# Altium PCB TE0723.PcbDoc (part 1 of 3) (continued)
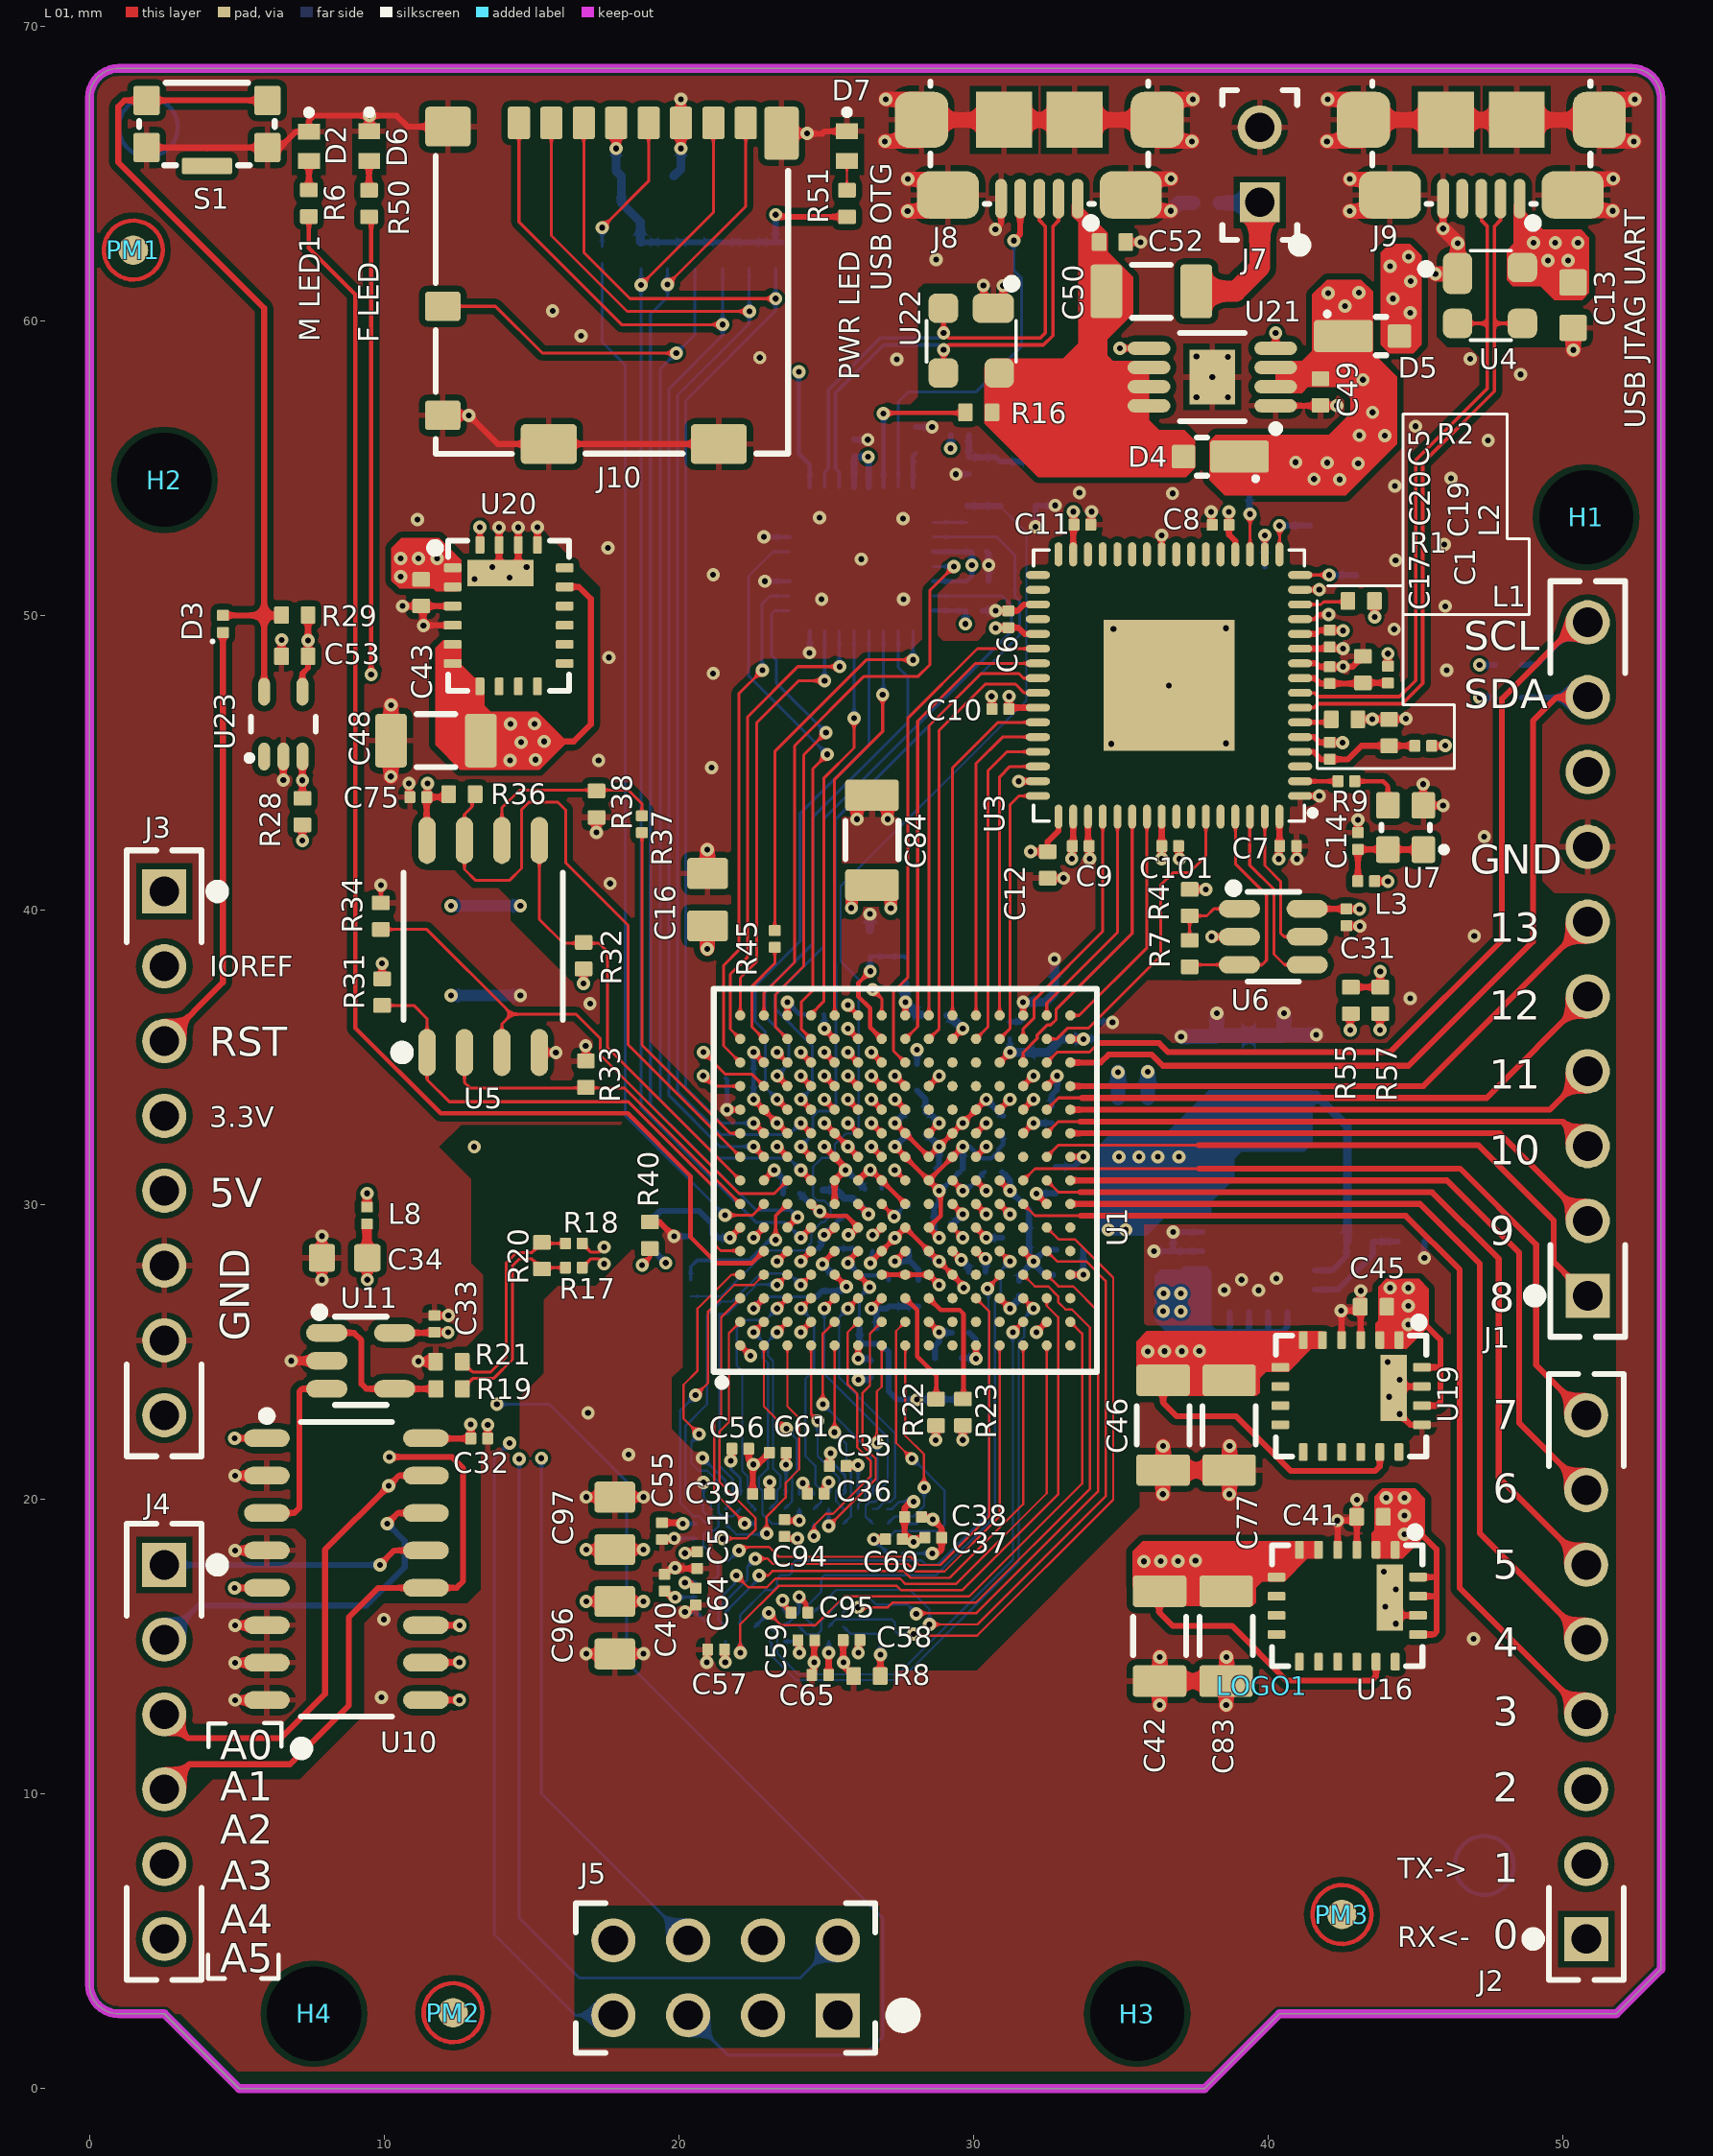
[diagram p0: L 01 view]
## Design rules (kind name [scope] priority, off if disabled: settings) (continued)
RoutingLayers "RoutingLayers_impedance control" [(InDifferentialPairClass('All Differential Pairs') OR InNetClass('D100-15') OR InNetClass('D100-25') OR InNetClass('D100-33') OR InNetClass('S50') OR InNetClass('S50-25') OR InNetClass('S50-33') OR InNetClass('S60-15'))] p1: top layer_v5=TRUE mid layer 1_v5=TRUE mid layer 2_v5=TRUE mid layer 3_v5=TRUE mid layer 4_v5=TRUE mid layer 5_v5=TRUE mid layer 6_v5=TRUE bottom layer_v5=TRUE
RoutingLayers [All] p2: top layer_v5=TRUE mid layer 1_v5=TRUE mid layer 2_v5=TRUE mid layer 3_v5=TRUE mid layer 4_v5=TRUE mid layer 5_v5=TRUE mid layer 6_v5=TRUE bottom layer_v5=TRUE
RoutingVias [All] p1: holewidth=0.25 width=0.5 viastyle="Through Hole" minholewidth=0.15 minwidth=0.3 maxholewidth=1 maxwidth=1.5
SMDNeckDown SMDNeckDown_80% [All] p1: percent=95.000
SMDToPlane [All] p1: distance=39370
SilkToSilkClearance [All] p1: silktosilkclearance=0.01
SilkToSolderMaskClearance SilkscreenOverComponentPads [IsPad] p1: minsilkscreentomaskgap=0.01 clearancetoexposedcopper=TRUE
SolderMaskExpansion SolderMaskExpansion_Via [IsVia] p1: expansion=-0.125
SolderMaskExpansion [All] p2: expansion=0
UnpouredPolygon [All] p1: allowunpoured=FALSE
Width Width_All_Differential_Pairs [(InDifferentialPairClass('All Differential Pairs'))] p1: maxlimit=1 minlimit=0.095 preferedwidth=1 toplayer_maxwidth=0.12 toplayer_prefwidth=0.1 midlayer1_minwidth=0.1 midlayer1_maxwidth=0.1 midlayer1_prefwidth=0.1 midlayer2_minwidth=1 midlayer3_minwidth=0.254 midlayer3_maxwidth=0.254 midlayer3_prefwidth=0.254 midlayer4_minwidth=1 midlayer5_minwidth=1 midlayer6_minwidth=1 bottomlayer_maxwidth=0.12 bottomlayer_prefwidth=0.1 minimp=50.000000 maximp=50.000000 favimp=50.000000
Width Logo [(InComponent('LOGO*'))] p2: maxlimit=0.254 minlimit=0.001 preferedwidth=0.254 // Protel DXP Scope 1 Expression Was: (InComponent('LOGO?'))
Width All [All] p3: maxlimit=3 minlimit=0.075 preferedwidth=0.2 toplayer_prefwidth=0.1 midlayer1_prefwidth=0.1 midlayer2_prefwidth=0.1 midlayer5_prefwidth=0.1 midlayer6_prefwidth=0.1 bottomlayer_prefwidth=0.1 minimp=50.000000 maximp=50.000000 favimp=50.000000
14 further rules are at their usual default settings.

## Classes and differential pairs
net class SD: SD_CD/MIO0 SD_CLK SD_CMD SD_D0 SD_D1 SD_D2 SD_D3
net class QSPI: SPI0_CS SPI0_DQ0/M0 SPI0_DQ1/M1 SPI0_DQ2/M2 SPI0_DQ3/M3 SPI0_SCK SPI0_SCK/M4
net class DDR_CTRL: CA0 CA1 CA2 CA3 CA4 CA5 CA6 CA7 CA8 CA9 CK_N CK_P CKE CS
net class FTDI_B: BCBUS0 BCBUS1 BCBUS2 BCBUS3 BCBUS4 BCBUS7 BDBUS0 BDBUS1 BDBUS2 BDBUS3 BDBUS4 BDBUS5 BDBUS6 BDBUS7
component class FTDI: C1 C5 C6 C7 C8 C9 C10 C11 C12 C13 C14 C17 C19 C20 C31 C101 J9 L1 L2 L3 R1 R2 R4 R7 R9 U3 U4 U6 U7
net class ULPI: OTG-CLK OTG-CLKR OTG-DATA0 OTG-DATA1 OTG-DATA2 OTG-DATA3 OTG-DATA4 OTG-DATA5 OTG-DATA6 OTG-DATA7 OTG-DIR OTG-NXT OTG-STP
net class DDR_D_LANE_1: DM1 DQ8 DQ9 DQ10 DQ11 DQ12 DQ13 DQ14 DQ15 DQS1_N DQS1_P
net class DDR_D_LANE_0: DM0 DQ0 DQ1 DQ2 DQ3 DQ4 DQ5 DQ6 DQ7 DQS0_N DQS0_P
net class JTAG: TCK TDI TDO TMS
net class B35: AIN0 AIN1 AIN2 AIN3 AIN4 AIN5 ESP_GPIO2 USB_OC
net class B34: AMUX_S0 AMUX_S1 AMUX_S2 B34_L5_P B34_L6_N B34_L10_N B34_L10_P B34_L11_N B34_L11_P B34_L12_N B34_L12_P B34_L19_N B34_L19_P B34_L21_P BCBUS0 BCBUS1 BCBUS2 BCBUS3 BCBUS4 BCBUS7 BDBUS0 BDBUS1 BDBUS2 BDBUS3 BDBUS4 BDBUS5 BDBUS6 BDBUS7 D2 D3 D4 D5 D6 D7 D8 D9 D10 D11 D12 D13 FPGA_LED RXD SCL SDA TXD
component class USB-PHY: C26 C49 C50 C52 C98 C116 C117 D4 J7 J8 L10 R16 R30 R41 R45 R46 R53 U14 U18 U21 U22
component class FPGA_PWR: C2 C3 C4 C15 C16 C18 C21 C22 C23 C24 C27 C54 C62 C63 C69 C77 C78 C79 C80 C81 C82 C83 C84 C85 C86 C87 C88 C89 C90 C91 C92 L4 L6 L7 R55 R56 R57 TP1 TP2 TP3 TP4
component class FPGA_MIO: C75 D2 D7 R6 R31 R32 R33 R34 R36 R37 R38 R39 R40 R51 U5
component class DDR3-RAM: C35 C36 C37 C38 C39 C40 C51 C55 C56 C57 C58 C59 C60 C61 C64 C65 C94 C95 C96 C97 R8 U8
component class FPGA_B34: D6 R35 R42 R43 R44 R50 U1
component class TE0723-Arduino: H1 H2 H3 H4 PM1 PM2 PM3 PM4 PM5 PM6
differential pair class Lendht22mm: MCB1_DRAM_CK MCB1_DRAM_DQS MCB1_DRAM_UDQ MCB3_DRAM_CK MCB3_DRAM_DQS MCB3_DRAM_UDQ
component class Arduino-Headers: C93 D5 J1 J2 J3 J4 J5 J10 R5 R10 R11 R12 R13 R14 R15 S1
component class Analog: C28 C32 C33 C34 L8 R17 R18 R19 R20 R21 U10 U11
component class PowerSupply: C41 C42 C43 C44 C45 C46 C47 C48 C53 D3 R26 R27 R28 R29 U16 U17 U19 U20 U23
component class FPGA_RAM: C66 C67 C68 C70 C71 C72 C73 C74 R22 R23 R24 R25 R?
differential pair DQS1: +DQS1_P -DQS1_N
differential pair DQS0: +DQS0_P -DQS0_N
differential pair D: +D_P -D_N
differential pair VR: +VR_P -VR_N
differential pair V: +V_P -V_N
differential pair OTG: +OTG_P -OTG_N
differential pair CK: +CK_P -CK_N

## Components (designator, comment, footprint, x,y, rotation, side; value= is the part's Value field where it differs from the comment)
C1 "4.7µF" CAPC1005X60N 44.11,46.03 r90 top
C2 "470nF" CAPC0603X33N 28.96,29.37 r180 bottom
C3 "470nF" CAPC0603X33N 28.09,32.38 r0 bottom
C4 "4.7µF" CAPC1005X60N 28.09,34.33 r90 bottom
C5 "470nF" CAPC0603X33N 42.09,49.22 r270 top
C6 "470nF" CAPC0603X33N 31.19,49.88 r90 top
C7 "470nF" CAPC0603X33N 40.68,42.18 r0 top
C8 "470nF" CAPC0603X33N 38.39,53.08 r180 top
C9 "470nF" CAPC0603X33N 33.64,42.18 r0 top
C10 "470nF" CAPC0603X33N 30.92,46.83 r180 top
C11 "470nF" CAPC0603X33N 33.7,53.09 r180 top
C12 "4.7µF" CAPC1005X60N 32.52,41.54 r90 top
C13 "10µF" CAPC1608X90N 50.35,60.54 r90 top
C14 "470nF" CAPC0603X33N 43.05,42.35 r270 top
C15 "4.7µF" CAPC1005X60N 29.19,31.34 r180 bottom
C16 "47µF" CAPC2012X135N 20.98,40.36 r90 top
C17 "470nF" CAPC0603X33N 42.09,45.41 r90 top
C18 "4.7µF" CAPC1005X60N 31.44,28.88 r0 bottom
C19 "4.7µF" CAPC1005X60N 43.22,48.17 r90 top
C20 "470nF" CAPC0603X33N 42.09,47.98 r90 top
C21 "470nF" CAPC0603X33N 30.134,27.727 r180 bottom
C22 "470nF" CAPC0603X33N 28.09,28.48 r180 bottom
C23 "470nF" CAPC0603X33N 28.09,33.13 r0 bottom
C24 "4.7µF" CAPC1005X60N 28.132,27.002 r270 bottom
C26 "470nF" CAPC0603X33N 30.23,52.18 r0 bottom
C27 "470nF" CAPC0603X33N 24.9,30.79 r270 bottom
C28 "1nF" CAPC1005X55N 27.84,30.39 r90 bottom
C31 "470nF" CAPC0603X33N 42.66,39.76 r270 top
C32 "470nF" CAPC0603X33N 13.23,22.07 r180 top
C33 "470nF" CAPC0603X33N 11.71,25.96 r90 top
C34 "10µF" CAPC1608X90N 8.66,28.2 r0 top
C35 "470nF" CAPC0603X33N 25.397,21.136 r0 top
C36 "470nF" CAPC0603X33N 24.651,20.197 r0 top
C37 "470nF" CAPC0603X33N 28.636,18.702 r180 top
C38 "470nF" CAPC0603X33N 27.951,19.408 r180 top
C39 "470nF" CAPC0603X33N 22.796,20.186 r180 top
C40 "470nF" CAPC0603X33N 19.519,17.174 r90 top
C41 "4.7µF" CAPC1005X60N 43.46,19.41 r180 top
C42 "100µF" CAPC3216X180N 36.32,15.36 r270 top
C43 "4.7µF" CAPC1005X60N 11.26,50.78 r270 top
C44 "100µF" CAPC3216X180N 38.22,34.17 r90 bottom
C45 "4.7µF" CAPC1005X60N 43.58,26.54 r180 top
C46 "100µF" CAPC3216X180N 36.44,22.52 r270 top
C47 "4.7µF" CAPC1005X60N 36.67,27.97 r90 bottom
C48 "100µF" CAPC3216X180N 11.76,45.76 r180 top
C49 "100nF" CAPC1005X55N 41.78,57.59 r90 top
C50 "100µF" CAPC3216X180N 36.04,61.01 r180 top
C51 "470nF" CAPC0603X33N 20.629,17.944 r270 top
C52 "4.7µF" CAPC1005X60N 34.72,62.68 r0 top
C53 "100nF" CAPC1005X55N 6.97,48.62 r0 top
C54 "100µF" CAPC3216X180N 40.47,34.17 r90 bottom
C55 "470nF" CAPC0603X33N 19.429,18.925 r270 top
C56 "470nF" CAPC0603X33N 22.089,21.724 r0 top
C57 "470nF" CAPC0603X33N 21.268,14.907 r180 top
C58 "470nF" CAPC0603X33N 25.865,15.226 r180 top
C59 "470nF" CAPC0603X33N 24.331,15.223 r0 top
C60 "470nF" CAPC0603X33N 27.299,18.653 r0 top
C61 "470nF" CAPC0603X33N 23.36,21.585 r180 top
C62 "470nF" CAPC0603X33N 26.38,28.44 r180 bottom
C63 "4.7µF" CAPC1005X60N 27.126,27.002 r90 bottom
C64 "470nF" CAPC0603X33N 20.581,16.701 r270 top
C65 "470nF" CAPC0603X33N 24.802,14.044 r180 top
C66 "470nF" CAPC0603X33N 26.426,25.808 r0 bottom
C67 "470nF" CAPC0603X33N 26.52,24.422 r270 bottom
C68 "470nF" CAPC0603X33N 25.196,27.362 r90 bottom
C69 "470nF" CAPC0603X33N 31.01,32.735 r90 bottom
C70 "4.7µF" CAPC1005X60N 29.146,24.803 r0 bottom
C71 "470nF" CAPC0603X33N 29.563,25.661 r180 bottom
C72 "4.7µF" CAPC1005X60N 33.28,28.476 r180 bottom
C73 "470nF" CAPC0603X33N 31.55,27.13 r270 bottom
C74 "470nF" CAPC0603X33N 32.992,27.622 r180 bottom
C75 "470nF" CAPC0603X33N 11.16,43.84 r180 top
C77 "100µF" CAPC3216X180N 38.68,22.52 r270 top
C78 "100µF" CAPC3216X180N 35.42,32.09 r90 bottom
C79 "4.7µF" CAPC1005X60N 20.78,28.93 r180 bottom
C80 "470nF" CAPC0603X33N 23.83,30.38 r0 bottom
C81 "4.7µF" CAPC1005X60N 22.04,34.3 r180 bottom
C82 "470nF" CAPC0603X33N 24.64,36.46 r0 bottom
C83 "100µF" CAPC3216X180N 38.58,15.36 r270 top
C84 "100µF" CAPC3216X180N 26.56,42.38 r90 top
C85 "100µF" CAPC3216X180N 13.45,38.63 r270 bottom
C86 "47µF" CAPC2012X135N 32.76,36.3 r270 bottom
C87 "4.7µF" CAPC1005X60N 28.67,36.46 r0 bottom
C88 "470nF" CAPC0603X33N 31.24,35.93 r270 bottom
C89 "4.7µF" CAPC1005X60N 32.79,30.84 r90 bottom
C90 "470nF" CAPC0603X33N 32.66,33.06 r270 bottom
C91 "470nF" CAPC0603X33N 34.21,35.92 r270 bottom
C92 "470nF" CAPC0603X33N 30.68,31.12 r180 bottom
C93 "47µF" CAPC2012X135N 18.94,64.92 r0 bottom
C94 "470nF" CAPC0603X33N 23.59,19.03 r270 top
C95 "470nF" CAPC0603X33N 24.1,16.16 r180 top
C96 "47µF" CAPC2012X135N 17.83,15.65 r270 top
C97 "47µF" CAPC2012X135N 17.83,19.19 r90 top
C98 "470nF" CAPC0603X33N 30.02,50.17 r180 bottom
C101 "470nF" CAPC0603X33N 36.68,42.18 r0 top
C116 "470nF" CAPC0603X33N 25.97,55.69 r90 bottom
C117 "470nF" CAPC0603X33N 29.85,55.09 r270 bottom
D2 "LED Red SML-P11UTT86" LEDC1006X25N_RED 7.45,65.93 r90 top
D3 "NSR02F30NXT5G" DIOC0603X30N 4.53,49.72 r90 top
D4 "PD3S230H" PowerDI323 38.38,55.4 r180 top
D5 "PD3S230H" PowerDI323 43.21,59.49 r0 top
D6 "LED Green SML-P11MTT86" LEDC1006X25N_GREEN 9.5,65.94 r90 top
D7 "LED Green SML-P11MTT86" LEDC1006X25N_GREEN 25.71,65.94 r90 top
H1 "Mount.Hole 3.2mm (unplated)" MHole3_2mm-UNPLATED 50.8,53.34 r0 top locked
H2 "Mount.Hole 3.2mm (unplated)" MHole3_2mm-UNPLATED 2.54,54.61 r0 top locked
H3 "Mount.Hole 3.2mm (unplated)" MHole3_2mm-UNPLATED 35.56,2.54 r0 top locked
H4 "Mount.Hole 3.2mm (unplated)" MHole3_2mm-UNPLATED 7.62,2.54 r0 top locked
J1 "Female Header, 2.54mm, 1row, 10pol." BUCHSENLEISTE-2.54-10-1R 50.85,38.345 r90 top locked
J2 "Female Header, 2.54mm, 1row, 8pol." BUCHSENLEISTE-2.54-8-1R 50.8,13.97 r90 top locked
J3 "Female Header, 2.54mm, 1row, 8pol." BUCHSENLEISTE-2.54-8-1R 2.54,31.75 r270 top locked
J4 "Female Header, 2.54mm, 1row, 6pol." BUCHSENLEISTE-2.54-6-1R 2.54,11.43 r270 top locked
J5 "Pin Header 2.54 2Row 8Pins" "STIFTLEISTE2_54 OG 2R-8" 21.59,3.76 r180 bottom
J7 "JUMPER2.54-2" JUMPER2_54-2 39.72,65.3 r270 top
J8 "Micro USB AB Receptacle" "Micro USB ZX62-xx-5PA" 32.24,66.78 r180 top locked
J9 "Micro USB AB Receptacle" "Micro USB ZX62-xx-5PA" 47.24,66.78 r180 top locked
J10 "microSD Memory Card Connector with Detec" 104031-0811 17.732,61.2 r180 top locked
L1 "BKP0603HS121-T" INDC0603X33N 45.27,45.58 r0 top
L2 "BKP0603HS121-T" INDC0603X33N 44.07,48 r90 top
L3 "BKP0603HS121-T" INDC0603X33N 43.33,40.99 r0 top
L4 "BKP0603HS121-T" INDC0603X33N 25.11,28.53 r0 bottom
L6 "BKP0603HS121-T" INDC0603X33N 25.62,29.94 r270 bottom
L7 "BKP0603HS121-T" INDC0603X33N 26.6,30.55 r180 bottom
L8 "BKP0603HS121-T" INDC0603X33N 9.42,29.64 r270 top
L10 "BKP0603HS121-T" INDC0603X33N 29.52,56.13 r0 bottom
LOGO1 "LOGO PRINT" "LOGO PRINT" 39.81,13.68 r270 top
PM1 "FIDU-DOT - small" "FIDU-DOT - small" 1.49,62.41 r0 top
PM2 "FIDU-DOT - small" "FIDU-DOT - small" 12.34,2.58 r0 top locked
PM3 "FIDU-DOT - small" "FIDU-DOT - small" 42.51,5.91 r0 top
PM4 "FIDU-DOT - small" "FIDU-DOT - small" 2,66.58 r180 bottom locked
PM5 "FIDU-DOT - small" "FIDU-DOT - small" 12.34,2.58 r180 bottom locked
PM6 "FIDU-DOT - small" "FIDU-DOT - small" 47.34,7.58 r180 bottom locked
R1 "12K" RESC1005X40N 42.6,46.48 r180 top
R2 "2K61" RESC1005X40N 43.16,50.5 r180 top
R4 "12K" RESC1005X40N 37.34,40.26 r90 top
R5 "12K" RESC1005X40N 21.49,62.23 r270 bottom
R6 "240R" RESC1005X40N 7.45,64 r270 top
R7 "2K61" RESC1005X40N 37.34,38.53 r90 top
R8 "240R" RESC1005X40N 26.388,14.005 r180 top
R9 "33R" RESC0603X26N 42.66,44.38 r180 top
R10 "12K" RESC1005X40N 22.39,62.23 r270 bottom
R11 "12K" RESC1005X40N 23.29,62.23 r270 bottom
R12 "33R" RESC0603X26N 17.4,62.24 r90 bottom
R13 "12K" RESC1005X40N 18.72,62.23 r270 bottom
R14 "12K" RESC1005X40N 19.62,62.23 r270 bottom
R15 "12K" RESC1005X40N 20.55,62.23 r270 bottom
R16 "1K13" RESC1005X40N 30.18,56.9 r0 top
R17 "33R" RESC0603X26N 16.44,27.87 r0 top
R18 "33R" RESC0603X26N 16.44,28.69 r0 top
R19 "2K61" RESC1005X40N 12.209,23.754 r0 top
R20 "1K13" RESC1005X40N 15.359,28.275 r90 top
R21 "0R" RESC1005X40N 12.2,24.68 r180 top
R22 "80R6" RESC1005X40N 28.735,22.957 r90 top
R23 "80R6" RESC1005X40N 29.645,22.961 r90 top
R24 "240R" RESC1005X40N 29.652,22.95 r90 bottom
R25 "240R" RESC1005X40N 28.718,22.963 r270 bottom
R26 "200K" RESC1005X40N 43.11,28.75 r0 bottom
R27 "301K" RESC1005X40N 44.85,28.75 r0 bottom
R28 "12K" RESC1005X40N 7.23,43.35 r270 top
R29 "12K" RESC1005X40N 6.97,50.02 r0 top
R30 "33R" RESC0603X26N 20.41,27.18 r90 bottom
R31 "1K13" RESC1005X40N 9.933,37.22 r90 top
R32 "12K" RESC1005X40N 16.77,38.46 r270 top
R33 "12K" RESC1005X40N 16.85,34.44 r90 top
R34 "12K" RESC1005X40N 9.89,39.8 r90 top
R35 "12K" RESC1005X40N 48.16,47.22 r180 bottom
R36 "12K" RESC1005X40N 12.64,43.94 r180 top
R37 "33R" RESC0603X26N 18.75,42.92 r90 top
R38 "12K" RESC1005X40N 17.21,43.6 r270 top
R39 "12K" RESC1005X40N 30.96,51.18 r180 bottom
R40 "12K" RESC1005X40N 19.02,28.97 r90 top
R41 "8K06" RESC1005X40N 28.06,55.95 r90 bottom
R42 "12K" RESC1005X40N 48.16,48.33 r180 bottom
R43 "240R" RESC1005X40N 27.68,37.96 r90 bottom
R44 "240R" RESC1005X40N 26.49,38.88 r90 bottom
R45 "33R" RESC0603X26N 23.26,39.03 r270 top
R46 "33R" RESC0603X26N 29.8,53.44 r270 bottom
R50 "240R" RESC1005X40N 9.49,63.99 r270 top
R51 "240R" RESC1005X40N 25.71,63.99 r270 top
R53 "0R" RESC1005X40N 37.91,64.01 r180 bottom
R55 "1K13" RESC1005X40N 42.81,36.94 r90 top
R56 "1K13" RESC1005X40N 19.02,28.99 r90 bottom
R57 "1K13" RESC1005X40N 43.81,36.94 r90 top
S1 "KMS221GLFS" KMS2xxGLFS 3.99,66.69 r180 top
TP1 "Testpoint 1mm" TP_1mm 41.422,53.057 r90 bottom
TP2 "Testpoint 1mm" TP_1mm 39.891,51.668 r90 bottom
TP3 "Testpoint 1mm" TP_1mm 43.005,51.362 r90 bottom
TP4 "Testpoint 1mm" TP_1mm 39.37,54.404 r90 bottom
U1 "XC7Z7010-CLG225" CLG225 27.69,30.83 r90 top locked
U3 "FT2232HQ" QFN50P900X900X100-65N-445 36.64,47.63 r180 top locked
U4 "PRTR5V0U2X,215" SOT190P229X114-4N 47.56,60.87 r0 top
U5 "S25FL127SABMFV10" SOIC127P790X216-8N 13.364,38.772 r90 top
U6 "93AA56BT-I/OT" SOT95P280X145-6N 40.18,39.1 r0 top
U7 "SiT8008AI-73-XXS-12.000000E" 2016 44.67,42.81 r180 top
U8 "MT42L32M16D1AB-25 IT:A" BGA121C50P15X11_800X650X80B32N 24.09,17.68 r90 bottom locked
U10 "CD74HC4051D" SOIC127P600X175-16N 8.721,17.634 r0 top locked
U11 "AD8031ART" SOT95P280X145-5N 9.207,24.706 r0 top locked
U14 "SiT8008AI-73-XXS-52.000000E" 2016 31.51,54.48 r180 bottom
U16 "EN5311QI" EN5311QI 42.69,16.39 r270 top
U17 "EN5311QI" EN5311QI 39.68,28.75 r0 bottom
U18 "USB3320C-EZK" QFN50P500X500X100-33N-345 26.2,51.92 r90 bottom
U19 "EN5311QI" EN5311QI 42.82,23.51 r270 top
U20 "EN5311QI" EN5311QI 14.23,50 r0 top
U21 "TPS2051DGN" SOP65P488X107-9N-TI 38.11,58.1 r180 top
U22 "PRTR5V0U2X,215" SOT190P229X114-4N 29.93,59.31 r270 top locked
U23 "TPS3805H33DCKR" SOT65P210X110-5N 6.58,46.32 r90 top

## Footprints (in the part's own frame and the unit in brackets; to place one, negate y for a bottom-side part, rotate by r counter-clockwise, add the part's x,y. Pads: shape width x height; smd on the part's side, far side on the other; paste and mask are expansions set on the pad)
2016 [mm]
  rrect20% 0.8x0.9 smd: 1(-0.6,0.75) 2(-0.6,-0.75) 3(0.6,-0.75) 4(0.6,0.75)
  silkscreen extent -1.4,-0.1 0.82,0.85, body extent -0.82,-1.02 0.82,1.03, height 0.81
104031-0811 [mm]
  rrect20% 0.75x1.1 smd: 1(3.155,-5.525) 2(2.055,-5.525) 3(0.955,-5.525) 4(-0.145,-5.525) 5(-1.245,-5.525) 6(-2.345,-5.525) 7(-3.445,-5.525) 8(-4.545,-5.525)
  rrect20% 1.2x1 smd: 9(5.74,0.7) 10(5.74,4.4)
  rrect20% 1.55x1.35 smd: G1(5.565,-5.4)
  rrect20% 1.17x1.8 smd: G2(-5.755,-5.175)
  rrect20% 1.9x1.35 smd: G3(-3.63,5.375) G4(2.14,5.375)
  silkscreen extent -5.98,-4.4 5.97,5.7, body extent -5.97,-9.7 5.98,5.7, height 1.45
BGA121C50P15X11_800X650X80B32N [mm]
  round 0.25 smd: A1(-2.5,3.5) A2(-2,3.5) A3(-1.5,3.5) A4(-1,3.5) A5(-0.5,3.5) A6(0,3.5) A7(0.5,3.5) A8(1,3.5) A9(1.5,3.5) A10(2,3.5) A11(2.5,3.5) B1(-2.5,3) B2(-2,3) B3(-1.5,3) B4(-1,3) B5(-0.5,3) B6(0,3) B7(0.5,3) B8(1,3) B9(1.5,3) B10(2,3) B11(2.5,3) C1(-2.5,2.5) C2(-2,2.5) C3(-1.5,2.5) C5(-0.5,2.5) C6(0,2.5) C7(0.5,2.5) C9(1.5,2.5) C10(2,2.5) C11(2.5,2.5) D1(-2.5,2) D2(-2,2) D10(2,2) D11(2.5,2) E1(-2.5,1.5) E2(-2,1.5) E3(-1.5,1.5) E9(1.5,1.5) E10(2,1.5) E11(2.5,1.5) F1(-2.5,1) F2(-2,1) F5(-0.5,1) F6(0,1) F7(0.5,1) F10(2,1) F11(2.5,1) G1(-2.5,0.5) G2(-2,0.5) G3(-1.5,0.5) G5(-0.5,0.5) G6(0,0.5) G7(0.5,0.5) G9(1.5,0.5) G10(2,0.5) G11(2.5,0.5) H1(-2.5,0) H2(-2,0) H5(-0.5,0) H6(0,0) H7(0.5,0) H10(2,0) H11(2.5,0) J1(-2.5,-0.5) J2(-2,-0.5) J3(-1.5,-0.5) J5(-0.5,-0.5) J6(0,-0.5) J7(0.5,-0.5) J9(1.5,-0.5) J10(2,-0.5) J11(2.5,-0.5) K1(-2.5,-1) K2(-2,-1) K5(-0.5,-1) K6(0,-1) K7(0.5,-1) K10(2,-1) K11(2.5,-1) L1(-2.5,-1.5) L2(-2,-1.5) L3(-1.5,-1.5) L9(1.5,-1.5) L10(2,-1.5) L11(2.5,-1.5) M1(-2.5,-2) M2(-2,-2) M10(2,-2) M11(2.5,-2) N1(-2.5,-2.5) N2(-2,-2.5) N3(-1.5,-2.5) N5(-0.5,-2.5) N6(0,-2.5) N7(0.5,-2.5) N9(1.5,-2.5) N10(2,-2.5) N11(2.5,-2.5) P1(-2.5,-3) P2(-2,-3) P3(-1.5,-3) P4(-1,-3) P5(-0.5,-3) P6(0,-3) P7(0.5,-3) P8(1,-3) P9(1.5,-3) P10(2,-3) P11(2.5,-3) R1(-2.5,-3.5) R2(-2,-3.5) R3(-1.5,-3.5) R4(-1,-3.5) R5(-0.5,-3.5) R6(0,-3.5) R7(0.5,-3.5) R8(1,-3.5) R9(1.5,-3.5) R10(2,-3.5) R11(2.5,-3.5)
  silkscreen extent -3.4,-4.15 3.4,4.15, body extent -3.3,-4.05 3.3,4.05, height 0.82
BUCHSENLEISTE-2.54-6-1R [mm]
  rect 1.5x1.5 hole 1: 1(-6.35,0)
  round 1.5 hole 1: 2(-3.81,0) 3(-1.27,0) 4(1.27,0) 5(3.81,0) 6(6.35,0)
  silkscreen extent -7.75,-1.27 7.75,2, body extent -7.74,-1.25 7.75,1.25, height 8.5
BUCHSENLEISTE-2.54-8-1R [mm]
  rect 1.5x1.5 hole 1: 1(-8.89,0)
  round 1.5 hole 1: 2(-6.35,0) 3(-3.81,0) 4(-1.27,0) 5(1.27,0) 6(3.81,0) 7(6.35,0) 8(8.89,0)
  silkscreen extent -10.29,-1.27 10.29,2, body extent -10.28,-1.25 10.29,1.25, height 8.5
BUCHSENLEISTE-2.54-10-1R [mm]
  rect 1.5x1.5 hole 1: 1(-11.43,0)
  round 1.5 hole 1: 2(-8.89,0) 3(-6.35,0) 4(-3.81,0) 5(-1.27,0) 6(1.27,0) 7(3.81,0) 8(6.35,0) 9(8.89,0) 10(11.43,0)
  silkscreen extent -12.83,-1.27 12.83,2, body extent -12.82,-1.25 12.83,1.25, height 8.5
CAPC0603X33N [mm]
  rrect20% 0.37x0.4 smd: 1(-0.285,0) 2(0.285,0)
  body extent -0.3,-0.15 0.3,0.15, height 0.29
CAPC1005X55N [mm] "Vishay VJ0402 1 x 0.5mm (+/- 0.05), 0.25mm +0.05/-0.1mm Kontakte"
  rrect20% 0.5x0.6 smd: 1(-0.45,0) 2(0.45,0)
  body extent -0.5,-0.25 0.5,0.25, height 0.5
CAPC1005X60N [mm] "Vishay VJ0402 1 x 0.5mm (+/- 0.05), 0.25mm +0.05/-0.1mm Kontakte"
  rrect20% 0.5x0.6 smd: 1(-0.45,0) 2(0.45,0)
  body extent -0.5,-0.25 0.5,0.25, height 0.5
CAPC1608X90N [mm] "Vishay VJ0603 1.6 x 0.8 (+0.15/-0.1) 0.4 +/- 0,15mm Kontakte"
  rrect20% 0.89x0.93 smd: 1(-0.77,0) 2(0.77,0)
  body extent -0.8,-0.4 0.8,0.4, height 0.8
CAPC2012X135N [mm] "Vishay VJ0805 2 x 1.25 +/- 0.15, 0.5 +/- 0,2 Kontakte"
  rrect20% 1.05x1.38 smd: 1(-0.89,0) 2(0.89,0)
  body extent -1,-0.62 1,0.63, height 1.35
CAPC3216X180N [mm]
  rrect20% 1.07x1.82 smd: 1(-1.525,0) 2(1.525,0)
  silkscreen extent -0.65,-0.9 0.65,0.9, body extent -1.6,-0.81 1.6,0.81, height 1.82
CLG225 [mm] "BGA, 225-Balls, Body 13x13mm, Pitch 0.8mm"
  round 0.35 smd: A1(-5.6,5.6) A2(-4.8,5.6) A3(-4,5.6) A4(-3.2,5.6) A5(-2.4,5.6) A6(-1.6,5.6) A7(-0.8,5.6) A8(0,5.6) A9(0.8,5.6) A10(1.6,5.6) A11(2.4,5.6) A12(3.2,5.6) A13(4,5.6) A14(4.8,5.6) A15(5.6,5.6) B1(-5.6,4.8) B2(-4.8,4.8) B3(-4,4.8) B4(-3.2,4.8) B5(-2.4,4.8) B6(-1.6,4.8) B7(-0.8,4.8) B8(0,4.8) B9(0.8,4.8) B10(1.6,4.8) B11(2.4,4.8) B12(3.2,4.8) B13(4,4.8) B14(4.8,4.8) B15(5.6,4.8) C1(-5.6,4) C2(-4.8,4) C3(-4,4) C4(-3.2,4) C5(-2.4,4) C6(-1.6,4) C7(-0.8,4) C8(0,4) C9(0.8,4) C10(1.6,4) C11(2.4,4) C12(3.2,4) C13(4,4) C14(4.8,4) C15(5.6,4) D1(-5.6,3.2) D2(-4.8,3.2) D3(-4,3.2) D4(-3.2,3.2) D5(-2.4,3.2) D6(-1.6,3.2) D7(-0.8,3.2) D8(0,3.2) D9(0.8,3.2) D10(1.6,3.2) D11(2.4,3.2) D12(3.2,3.2) D13(4,3.2) D14(4.8,3.2) D15(5.6,3.2) E1(-5.6,2.4) E2(-4.8,2.4) E3(-4,2.4) E4(-3.2,2.4) E5(-2.4,2.4) E6(-1.6,2.4) E7(-0.8,2.4) E8(0,2.4) E9(0.8,2.4) E10(1.6,2.4) E11(2.4,2.4) E12(3.2,2.4) E13(4,2.4) E14(4.8,2.4) E15(5.6,2.4) F1(-5.6,1.6) F2(-4.8,1.6) F3(-4,1.6) F4(-3.2,1.6) F5(-2.4,1.6) F6(-1.6,1.6) F7(-0.8,1.6) F8(0,1.6) F9(0.8,1.6) F10(1.6,1.6) F11(2.4,1.6) F12(3.2,1.6) F13(4,1.6) F14(4.8,1.6) F15(5.6,1.6) G1(-5.6,0.8) G2(-4.8,0.8) G3(-4,0.8) G4(-3.2,0.8) G5(-2.4,0.8) G6(-1.6,0.8) G7(-0.8,0.8) G8(0,0.8) G9(0.8,0.8) G10(1.6,0.8) G11(2.4,0.8) G12(3.2,0.8) G13(4,0.8) G14(4.8,0.8) G15(5.6,0.8) H1(-5.6,0) H2(-4.8,0) H3(-4,0) H4(-3.2,0) H5(-2.4,0) H6(-1.6,0) H7(-0.8,0) H8(0,0) H9(0.8,0) H10(1.6,0) H11(2.4,0) H12(3.2,0) H13(4,0) H14(4.8,0) H15(5.6,0) J1(-5.6,-0.8) J2(-4.8,-0.8) J3(-4,-0.8) J4(-3.2,-0.8) J5(-2.4,-0.8) J6(-1.6,-0.8) J7(-0.8,-0.8) J8(0,-0.8) J9(0.8,-0.8) J10(1.6,-0.8) J11(2.4,-0.8) J12(3.2,-0.8) J13(4,-0.8) J14(4.8,-0.8) J15(5.6,-0.8) K1(-5.6,-1.6) K2(-4.8,-1.6) K3(-4,-1.6) K4(-3.2,-1.6) K5(-2.4,-1.6) K6(-1.6,-1.6) K7(-0.8,-1.6) K8(0,-1.6) K9(0.8,-1.6) K10(1.6,-1.6) K11(2.4,-1.6) K12(3.2,-1.6) K13(4,-1.6) K14(4.8,-1.6) K15(5.6,-1.6) L1(-5.6,-2.4) L2(-4.8,-2.4) L3(-4,-2.4) L4(-3.2,-2.4) L5(-2.4,-2.4) L6(-1.6,-2.4) L7(-0.8,-2.4) L8(0,-2.4) L9(0.8,-2.4) L10(1.6,-2.4) L11(2.4,-2.4) L12(3.2,-2.4) L13(4,-2.4) L14(4.8,-2.4) L15(5.6,-2.4) M1(-5.6,-3.2) M2(-4.8,-3.2) M3(-4,-3.2) M4(-3.2,-3.2) M5(-2.4,-3.2) M6(-1.6,-3.2) M7(-0.8,-3.2) M8(0,-3.2) M9(0.8,-3.2) M10(1.6,-3.2) M11(2.4,-3.2) M12(3.2,-3.2) M13(4,-3.2) M14(4.8,-3.2) M15(5.6,-3.2) N1(-5.6,-4) N2(-4.8,-4) N3(-4,-4) N4(-3.2,-4) N5(-2.4,-4) N6(-1.6,-4) N7(-0.8,-4) N8(0,-4) N9(0.8,-4) N10(1.6,-4) N11(2.4,-4) N12(3.2,-4) N13(4,-4) N14(4.8,-4) N15(5.6,-4) P1(-5.6,-4.8) P2(-4.8,-4.8) P3(-4,-4.8) P4(-3.2,-4.8) P5(-2.4,-4.8) P6(-1.6,-4.8) P7(-0.8,-4.8) P8(0,-4.8) P9(0.8,-4.8) P10(1.6,-4.8) P11(2.4,-4.8) P12(3.2,-4.8) P13(4,-4.8) P14(4.8,-4.8) P15(5.6,-4.8) R1(-5.6,-5.6) R2(-4.8,-5.6) R3(-4,-5.6) R4(-3.2,-5.6) R5(-2.4,-5.6) R6(-1.6,-5.6) R7(-0.8,-5.6) R8(0,-5.6) R9(0.8,-5.6) R10(1.6,-5.6) R11(2.4,-5.6) R12(3.2,-5.6) R13(4,-5.6) R14(4.8,-5.6) R15(5.6,-5.6)
  silkscreen extent -6.98,-6.5 6.5,6.5, body extent -6.5,-6.5 6.5,6.5, height 1.51
DIOC0603X30N [mm]
  rrect20% 0.37x0.41 smd: 1(-0.29,0) 2(0.29,0)
  silkscreen extent -0.6,0.35 -0.6,0.35, body extent -0.31,-0.16 0.31,0.16, height 0.3
EN5311QI [mm]
  rrect33% 0.6x0.3 smd: 1(-1.9,1.625) 2(-1.9,0.975) 3(-1.9,0.325) 4(-1.9,-0.325) 5(-1.9,-0.975) 6(-1.9,-1.625) 11(1.9,-1.625) 12(1.9,-0.975) 13(1.9,-0.325) 14(1.9,0.325) 15(1.9,0.975) 16(1.9,1.625)
  rrect33% 0.3x0.6 smd: 7(-0.975,-2.4) 8(-0.325,-2.4) 9(0.325,-2.4) 10(0.975,-2.4) 17(0.975,2.4) 18(0.325,2.4) 19(-0.325,2.4) 20(-0.975,2.4)
  rect 2.25x0.9 smd: 21(-0.275,1.45)
  silkscreen extent -2.65,-2.55 2.05,2.55, body extent -2.05,-2.55 2.05,2.55, height 1.16
"FIDU-DOT - small" [mm]
  round 1 smd paste-1: 0(0,0)
  L 01 circle w0.15: c0,0 r1
INDC0603X33N [mm]
  rrect20% 0.37x0.4 smd: 1(-0.285,0) 2(0.285,0)
  body extent -0.32,-0.17 0.32,0.17, height 0.33
JUMPER2_54-2 [mm]
  rect 1.35x1.35 hole 1: 1(1.27,0)
  round 1.5 hole 1: 2(-1.27,0)
  silkscreen extent -2.54,-1.27 2.92,1.55, body extent -2.44,-1.25 2.64,1.25, height 8.2
KMS2xxGLFS [mm]
  rrect20% 0.9x1 smd: 1(-2.05,-0.8) 2(-2.05,0.8) 4(2.05,0.8) 5(2.05,-0.8)
  rrect20% 1.7x0.55 smd: 3(0,1.425)
  silkscreen extent -2.3,-1.4 2.3,1.4, body extent -2.3,-2.15 2.3,1.4, height 1.42
LEDC1006X25N_GREEN [mm] "LED 0402, 2-Leads, Body 1,0x0,6mm, IPC Medium Density"
  rect 0.54x0.74 smd: A(-0.5,0) K(0.5,0)
  silkscreen extent 1.05,-0.1 1.25,0.1, body extent -0.51,-0.25 0.51,0.25, height 0.45
LEDC1006X25N_RED [mm] "LED 0402, 2-Leads, Body 1,0x0,6mm, IPC Medium Density"
  rect 0.54x0.74 smd: A(-0.5,0) K(0.5,0)
  silkscreen extent 1.05,-0.1 1.25,0.1, body extent -0.5,-0.25 0.51,0.25, height 0.45
"LOGO PRINT" [mm]
MHole3_2mm-UNPLATED [mm]
  round 0 hole 3.2 unplated: 1(0,0)
"Micro USB ZX62-xx-5PA" [mm]
  oval 0.4x1.35 smd: 1(-1.3,2.625) 2(-0.65,2.625) 3(0,2.625) 4(0.65,2.625) 5(1.3,2.625)
  rrect50% 1.8x1.9 smd: S1(-4,-0.05) S4(4,-0.05)
  rect 1.9x1.9 smd: S2(-1.2,-0.05) S3(1.2,-0.05)
  rrect50% 2.1x1.6 smd: S5(-3.1,2.5) S6(3.1,2.5)
  silkscreen extent -3.7,-1.35 3.7,3.6, body extent -4.4,-2.8 4.4,2.8, height 2.77
PowerDI323 [mm]
  rrect20% 2x1.1 smd: 1(-0.65,0)
  rrect20% 0.8x0.8 smd: 2(1.25,0)
  silkscreen extent -1.25,-0.65 0.8,0.8, body extent -1.38,-0.65 1.38,0.65, height 0.7
QFN50P500X500X100-33N-345 [mm]
  oval 0.9x0.26 smd: 1(-2.44,1.75) 2(-2.44,1.25) 3(-2.44,0.75) 4(-2.44,0.25) 5(-2.44,-0.25) 6(-2.44,-0.75) 7(-2.44,-1.25) 8(-2.44,-1.75) 17(2.44,-1.75) 18(2.44,-1.25) 19(2.44,-0.75) 20(2.44,-0.25) 21(2.44,0.25) 22(2.44,0.75) 23(2.44,1.25) 24(2.44,1.75)
  oval 0.26x0.9 smd: 9(-1.75,-2.44) 10(-1.25,-2.44) 11(-0.75,-2.44) 12(-0.25,-2.44) 13(0.25,-2.44) 14(0.75,-2.44) 15(1.25,-2.44) 16(1.75,-2.44) 25(1.75,2.44) 26(1.25,2.44) 27(0.75,2.44) 28(0.25,2.44) 29(-0.25,2.44) 30(-0.75,2.44) 31(-1.25,2.44) 32(-1.75,2.44)
  rect 3.45x3.45 smd: 33(0,0)
  silkscreen extent -2.99,-2.64 2.64,2.64, body extent -2.51,-2.51 2.51,2.51, height 1.12
QFN50P900X900X100-65N-445 [mm]
  oval 0.82x0.27 smd: 1(-4.45,3.75) 2(-4.45,3.25) 3(-4.45,2.75) 4(-4.45,2.25) 5(-4.45,1.75) 6(-4.45,1.25) 7(-4.45,0.75) 8(-4.45,0.25) 9(-4.45,-0.25) 10(-4.45,-0.75) 11(-4.45,-1.25) 12(-4.45,-1.75) 13(-4.45,-2.25) 14(-4.45,-2.75) 15(-4.45,-3.25) 16(-4.45,-3.75) 33(4.45,-3.75) 34(4.45,-3.25) 35(4.45,-2.75) 36(4.45,-2.25) 37(4.45,-1.75) 38(4.45,-1.25) 39(4.45,-0.75) 40(4.45,-0.25) 41(4.45,0.25) 42(4.45,0.75) 43(4.45,1.25) 44(4.45,1.75) 45(4.45,2.25) 46(4.45,2.75) 47(4.45,3.25) 48(4.45,3.75)
  oval 0.27x0.82 smd: 17(-3.75,-4.45) 18(-3.25,-4.45) 19(-2.75,-4.45) 20(-2.25,-4.45) 21(-1.75,-4.45) 22(-1.25,-4.45) 23(-0.75,-4.45) 24(-0.25,-4.45) 25(0.25,-4.45) 26(0.75,-4.45) 27(1.25,-4.45) 28(1.75,-4.45) 29(2.25,-4.45) 30(2.75,-4.45) 31(3.25,-4.45) 32(3.75,-4.45) 49(3.75,4.45) 50(3.25,4.45) 51(2.75,4.45) 52(2.25,4.45) 53(1.75,4.45) 54(1.25,4.45) 55(0.75,4.45) 56(0.25,4.45) 57(-0.25,4.45) 58(-0.75,4.45) 59(-1.25,4.45) 60(-1.75,4.45) 61(-2.25,4.45) 62(-2.75,4.45) 63(-3.25,4.45) 64(-3.75,4.45)
  rect 4.45x4.45 smd: 65(0,0)
  silkscreen extent -4.97,-4.6 4.6,4.6, body extent -4.52,-4.52 4.52,4.52, height 0.9
RESC0603X26N [mm]
  rrect20% 0.37x0.4 smd: 1(-0.285,0) 2(0.285,0)
  body extent -0.34,-0.16 0.34,0.17, height 0.34
RESC1005X40N [mm] "Vishay D0402 1 x 0.5mm (+/- 0.05), 0.2mm +/-0.1mm Kontakte"
  rrect20% 0.5x0.6 smd: 1(-0.45,0) 2(0.45,0)
  body extent -0.5,-0.25 0.5,0.25, height 0.35
SOIC127P600X175-16N [mm] "SOIC, 16-Leads, Body 10,0x4,0mm (max), Pitch 1,27mm, IPC Medium Density"
  oval 1.55x0.6 smd: 1(-2.7,4.445) 2(-2.7,3.175) 3(-2.7,1.905) 4(-2.7,0.635) 5(-2.7,-0.635) 6(-2.7,-1.905) 7(-2.7,-3.175) 8(-2.7,-4.445) 9(2.7,-4.445) 10(2.7,-3.175) 11(2.7,-1.905) 12(2.7,-0.635) 13(2.7,0.635) 14(2.7,1.905) 15(2.7,3.175) 16(2.7,4.445)
  silkscreen extent -2.85,-5 1.55,5.35, body extent -3,-5 3,5, height 1.75
SOIC127P790X216-8N [mm]
  oval 1.6x0.6 smd: 1(-3.6,1.905) 2(-3.6,0.635) 3(-3.6,-0.635) 4(-3.6,-1.905) 5(3.6,-1.905) 6(3.6,-0.635) 7(3.6,0.635) 8(3.6,1.905)
  silkscreen extent -3.8,-2.7 2.5,2.95, body extent -4.05,-2.73 4.05,2.73, height 1.75
SOP65P488X107-9N-TI [mm] "SOP, 8-Leads, Body 3,0x3,0mm (max), Pitch 0,65mm, IPC Medium Density"
  oval 1.45x0.45 smd: 1(-2.15,0.975) 2(-2.15,0.325) 3(-2.15,-0.325) 4(-2.15,-0.975) 5(2.15,-0.975) 6(2.15,-0.325) 7(2.15,0.325) 8(2.15,0.975)
  rect 1.55x1.85 smd: 9(0,0)
  silkscreen extent -2.28,-1.5 1.1,1.87, body extent -2.45,-1.5 2.45,1.5, height 1.15
SOT65P210X110-5N [mm]
  oval 0.95x0.4 smd: 1(-1.1,0.65) 2(-1.1,0) 3(-1.1,-0.65) 4(1.1,-0.65) 5(1.1,0.65)
  silkscreen extent -1.25,-1.1 0.25,1.25, body extent -1.2,-1.1 1.2,1.1, height 1.1
SOT95P280X145-5N [mm]
  oval 1.4x0.6 smd: 1(-1.15,0.95) 2(-1.15,0) 3(-1.15,-0.95) 4(1.15,-0.95) 5(1.15,0.95)
  silkscreen extent -1.55,-1.5 0.87,1.8, body extent -1.17,-1.43 1.17,1.49, height 1
SOT95P280X145-6N [mm]
  oval 1.4x0.6 smd: 1(-1.15,0.95) 2(-1.15,0) 3(-1.15,-0.95) 4(1.15,-0.95) 5(1.15,0) 6(1.15,0.95)
  silkscreen extent -1.5,-1.53 0.87,1.8, body extent -1.52,-1.5 1.48,1.5, height 1.3
SOT190P229X114-4N [mm]
  rrect50% 1x1.4 smd: 1(-1.125,0.75)
  rrect50% 1x1 smd: 2(-1.125,-0.95) 3(1.075,-0.95) 4(1.075,0.95)
  silkscreen extent -2.35,-1.52 0.7,1.52, body extent -1.21,-1.44 1.21,1.48, height 1
"STIFTLEISTE2_54 OG 2R-8" [mm]
  rect 1.5x1.5 hole 1: 1(-3.81,-1.27)
  round 1.5 hole 1: 2(-3.81,1.27) 3(-1.27,-1.27) 4(-1.27,1.27) 5(1.27,-1.27) 6(1.27,1.27) 7(3.81,-1.27) 8(3.81,1.27)
  body extent -5.08,-2.54 5.08,2.54, height 8.5
TP_1mm [mm]
  round 1 smd paste-1: 1(0,0)
  silkscreen extent -0.75,-0.75 0.75,0.75

## Part data
C1 C4 C12 C15 C18 C19 C24 C41 C43 C45 C47 C52 C63 C70 C72 C79 C81 C87 C89: library part 24719, "KON 4.7µF 6.3V X5R SMD 20%"
C2 C3 C5 C6 C7 C8 C9 C10 C11 C14 C17 C20 C21 C22 C23 C26 C27 C31 C32 C33 C35 C36 C37 C38 C39 C40 C51 C55 C56 C57 C58 C59 C60 C61 C62 C64 C65 C66 C67 C68 C69 C71 C73 C74 C75 C80 C82 C88 C90 C91 C92 C94 C95 C98 C101 C116 C117: library part 24921, "KON 470nF X5R 6.3V SMD 20%"
C13 C34: library part 25341, "KON 10µF 16V X5R SMD 20%"
C16 C86 C93 C96 C97: library part 24718, "KON 47µF 6,3V  X5R SMD 20%"
C28: library part 26184, "KON 1nF 50V SMD AEC-Q200"
C42 C44 C46 C48 C50 C54 C77 C78 C83 C84 C85: library part 23116, "KON 100µF 6,3V X5R SMD 20%"
C49 C53: library part 26183, "KON 100nF 50V SMD AEC-Q200"
D2: library part 24212, "LED Rot SML-P11UTT86 SMD"
D3: library part 26175
D4 D5: library part 24682
D6 D7: library part 24211, "LED Grün SML-P11MTT86 SMD"
H1 H2 H3 H4: library part 24910
J1: library part 26386, "Buchsenleiste 1 reihig präz. 10 pol."
J2 J3: library part 26387, "Buchsenleiste 1 reihig präz. 8 pol."
J4: library part 26388, "Buchsenleiste 1 reihig präz. 6 pol."
J5: library part 23904, "Stiftleiste gerade 2-reihig, 8pol."
J7: library part 22330, "Stiftleiste gerade 1-reihig, 2pol."
J8 J9: library part 25126, "Micro USB AB Buchse"
J10: library part 26322, "microSD Memory Card Connector with Detect Switch"
L1 L2 L3 L4 L6 L7 L8 L10: library part 25393, "Ferritdurchführung SMD 0201"
LOGO1: library part 23748
PM1 PM2 PM3 PM4 PM5 PM6: library part 22905, "FIDU-DOT - SMALL"
R1 R4 R5 R10 R11 R13 R14 R15 R28 R29 R32 R33 R34 R35 R36 R38 R39 R40 R42: library part 22598, "WID SMD 12K 1% 0,063W"
R2 R7 R19: library part 23730, "WID SMD 2K61 1% 0,063W"
R6 R8 R24 R25 R43 R44 R50 R51: library part 23661, "WID SMD 240R 1% 0,063W"
R9 R12 R17 R18 R30 R37 R45 R46: library part 25021, "WID SMD 33R 1% 0,05W"
R16 R20 R31 R55 R56 R57: library part 23160, "WID SMD 1K13 1% 0,063W"
R21 R53: library part 26222, "WID SMD 0R 1% 0.063W AEC-Q200"
R22 R23: library part 25100, "WID SMD 80R6 1% 0,063W"
R26: library part 23846, "WID SMD 200K 1% 0,063W"
R27: library part 26224, "WID SMD 301K 1% 0,063W"
R41: library part 25052, "WID SMD 8K06 1% 0,063W"
S1: library part 26229, "KMS221GLFS - SWITCH, SPST, 0.05A, 32VDC, SMD"
TP1 TP2 TP3 TP4: library part 25063
U3: library part 24727
U4 U22: library part 24840
U5: library part 26078, "S25FL127SABMFV10 automotive SO8"
U6: library part 24730
U7: library part 25325, "SiT8008AI-73-XXS-12.000000E MEMS Oszillator 12MHz"
U8: library part 26300
U10: library part 26538
U11: library part 25377
U14: library part 25009, "SiT8008AI-73-XXS-52.000000E MEMS Oszillator 52MHz"
U16 U17 U19 U20: library part 25492
U18: library part 24992
U21: library part 25167, "TPS2051BDGN"
U23: library part 25049

## Via types
v1: diameter 0.45, hole 0.2, L 01 to L 08, 526 vias

## Nets (pads, with @x,y where several pads share a name; then routed paths per layer and width w, separated by ;. In a path a pad name is that pad's centre, name@x,y a point inside that pad or via, vN(x,y) a via of type N, cw(c..) or ccw(c..) an arc to the next point about the centre after c; other vN are vias at no path point)
1.0V: C4.1 C21.2 C22.2 C23.2 C24.1 C44.1 C54.1 C78.1 R26.1 U1.E10 U1.F9 U1.G6 U1.G10 U1.H5 U1.J10 U1.K5 U1.L10 U17.5 U17.6 U17.7 U17.15 | length 54.5
  L 01 w0.15: v1(24.94,32.78) U1.E10@25.29,32.43 v1(25.74,31.98) U1.F9@26.09,31.63 ; v1@26.54,28.88 U1.G6@26.89,29.23 ; v1(26.54,32.78) U1.G10@26.89,32.43 ; v1(27.34,28.08) U1.H5@27.69,28.43 ; U1.J10@28.49,32.43 v1(28.84,32.78) ; U1.K5@29.29,28.43 v1@29.64,28.08 ; U1.L10@30.09,32.43 v1(30.44,32.78)
  L 03 w0.075: 25.74,31.58 v1(25.74,31.98) ; 26.189,28.88 v1@26.54,28.88 ; v1(26.54,32.78) 26.54,33.18 ; 27.323,27.697 27.34,27.68 v1(27.34,28.08) ; v1(28.84,32.78) 28.84,33.18 ; 29.64,27.68 v1@29.64,28.08 ; v1(30.44,32.78) 30.44,33.13
  L 03 w0.1: 24.84,33.18 28.84,33.18 37.256,33.18 37.723,32.713 37.723,31.05 35.143,28.47 33.813,28.47 33.023,27.68 27.34,27.68 ; 25.203,31.58 27.69,31.58 ; 26.186,28.926 26.186,29.126 26.34,29.28 ; 26.189,28.88 26.189,28.3 26.13,28.241 26.13,27.861 26.35,27.641 26.754,27.641 26.81,27.697 27.323,27.697
  L 08 w0.075: v1@28.725,32.78 v1(28.84,32.78)
  L 08 w0.2: v1(27.34,28.08) 27.73,28.08 ; C22.2@27.805,28.48 27.805,28.155 27.73,28.08 ; C4.1@28.09,33.88 28.375,33.595 C23.2@28.375,33.13 28.49,33.13 v1(28.84,32.78) ; C24.1@28.132,27.452 28.132,27.808 27.86,28.08 27.73,28.08 ; v1(29.592,28.137) 29.849,27.88 C21.2@29.849,27.727 ; U17.15@41.58,27.775 42.175,27.775 42.66,28.26 R26.1@42.66,28.75
  L 08 w0.3: C44.1@38.22,32.645 38.22,33.52 38.43,33.73 41.63,33.73 42.69,32.67 R26.1@42.69,28.75
  other v1: 26.578,28.974 34.58,29.15 35.17,29.15 34.94,31.63 35.62,31.63 36.26,31.63 36.98,31.63